# KiCad board lasersaurv2.kicad_pcb
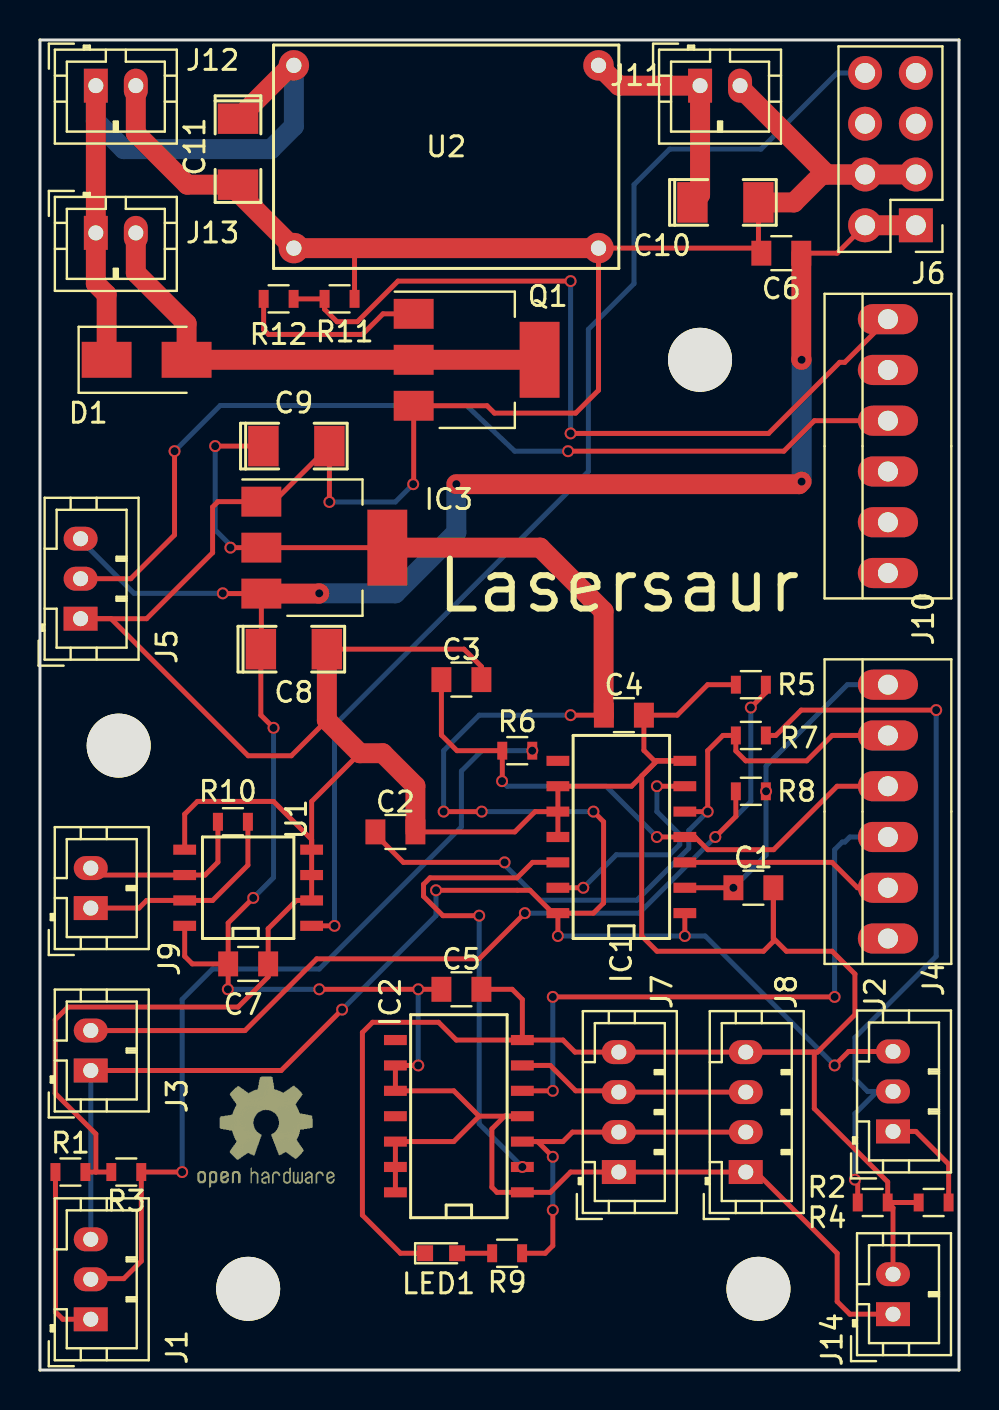
[diagram p0: board, top side]
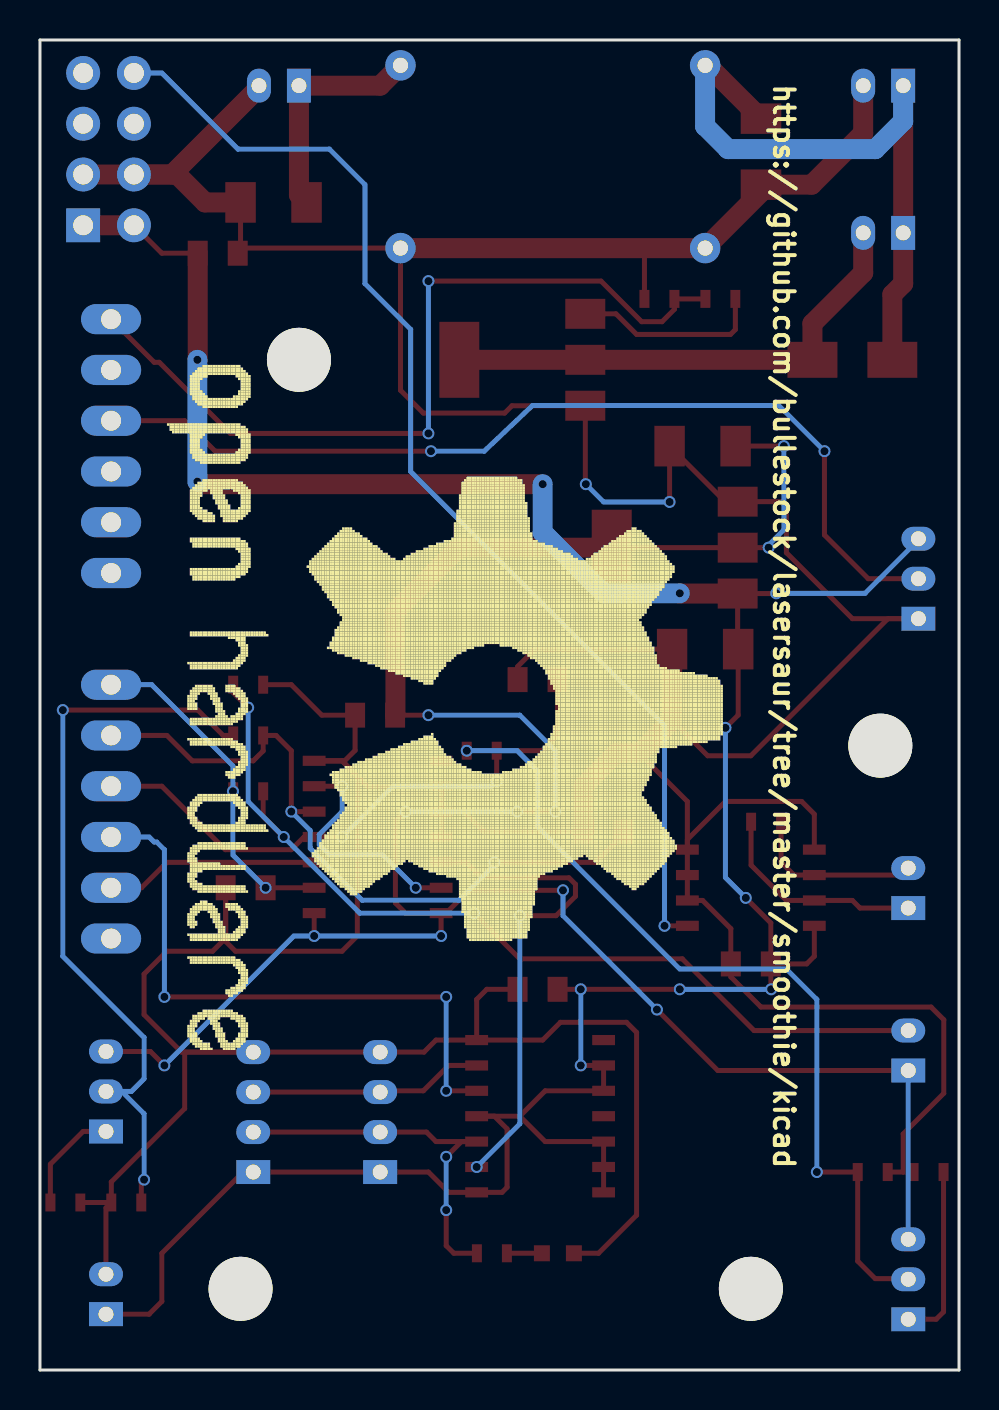
[diagram p1: board, bottom side, seen from below]

Outline 45.97 x 66.55 mm; copper layers: Top, Bottom. Coordinates in mm from the lower left corner of the outline.
Outline path: 0,66.55 0,0 45.97,0 45.97,66.55 0,66.55

## Placement (name value [footprint] x y rotation side)
C1  100n  [C_0805]  35.69 24.13 0 top
C2  100n  [C_0805]  17.78 26.92 0 top
C3  100n  [C_0805]  21.08 34.54 0 top
C4  100n  [C_0805]  29.21 32.77 0 top
C5  100n  [C_0805]  21.08 19.05 0 top
C6  100n  [C_0805]  37.08 55.88 180 top
C7  100n  [C_0805]  10.41 20.32 0 top
C8  100u  [SMD-1206_Pol]  12.7 36.07 0 top
C9  100u  [SMD-1206_Pol]  12.83 46.23 0 top
C10  100u  [SMD-1206_Pol]  34.29 58.42 0 top
C11  100u  [SMD-1206_Pol]  9.91 60.96 270 top
D1  SS34  [D_SMA_Standard]  5.33 50.55 0 top
G***  LOGO  [OSHWLOGO0.3IN]  7.49 15.62 0 top
IC1  74LV11  [SOIC-14_N]  28.96 26.67 90 top
IC2  74HCT08  [SOIC-14_N]  20.83 12.7 90 top
IC3  AMS1117-3.3  [SOT-223]  14.22 41.15 0 top
J1  DOOR1  [JST_PH_B3B-PH-K_03x2.00mm_Straight]  2.54 2.54 90 top
J2  DOOR2  [JST_PH_B3B-PH-K_03x2.00mm_Straight]  42.67 11.94 90 top
J3  CHILLER  [JST_PH_B2B-PH-K_02x2.00mm_Straight]  2.54 14.99 90 top
J4  TO_J8  [PINHEAD1-6]  42.42 21.59 90 top
J5  POWEROFF  [JST_PH_B3B-PH-K_03x2.00mm_Straight]  2.03 37.59 90 top
J6  TO_AUX1  [Pin_Header_Straight_2x04_Pitch2.54mm]  43.81 57.28 180 top
J7  LASER_AUX  [JST_PH_B4B-PH-K_04x2.00mm_Straight]  28.96 9.91 90 top
J8  LASER  [JST_PH_B4B-PH-K_04x2.00mm_Straight]  35.31 9.91 90 top
J9  CHILLER SERIAL  [JST_PH_B2B-PH-K_02x2.00mm_Straight]  2.54 23.11 90 top
J10  TO_J7  [PINHEAD1-6]  42.42 39.88 90 top
J11  24V PWR  [JST_PH_B2B-PH-K_02x2.00mm_Straight]  33.02 64.26 0 top
J12  LED LIGHTING  [JST_PH_B2B-PH-K_02x2.00mm_Straight]  2.79 64.26 0 top
J13  AIR VALVE  [JST_PH_B2B-PH-K_02x2.00mm_Straight]  2.79 56.9 0 top
J14  AIMING LASER  [JST_PH_B2B-PH-K_02x2.00mm_Straight]  42.67 2.79 90 top
LED1  Disable  [LED_0603]  20.07 5.84 0 top
Q1  ZXMN4A06  [SOT-223-3Lead_TabPin2]  21.84 50.55 0 top
R1  100  [R_0603]  1.52 9.91 0 top
R2  100  [R_0603]  44.7 8.38 180 top
R3  1K  [R_0603]  4.32 9.91 180 top
R4  1K  [R_0603]  41.66 8.38 0 top
R5  1K  [R_0603]  35.56 34.29 0 top
R6  5K6  [R_0603]  23.88 30.99 0 top
R7  5K6  [R_0603]  35.56 31.75 0 top
R8  5K6  [R_0603]  35.56 28.96 180 top
R9  1K  [R_0603]  23.37 5.84 180 top
R10  120R  [R_0603]  9.65 27.43 180 top
R11  10K  [R_0603]  14.99 53.59 0 top
R12  22R  [R_0603]  11.94 53.59 0 top
REF**  -  [MountingHole_3.2mm_M3]  33.02 50.55 0 top
REF**#2  -  [MountingHole_3.2mm_M3]  10.41 4.06 0 top
REF**#3  -  [MountingHole_3.2mm_M3]  3.94 31.24 0 top
REF**#4  MountingHole_3.2mm_M3  [MountingHole_3.2mm_M3#2]  35.94 3.81 0 top
U1  MAX485  [SOIC-8-N]  10.41 24.13 90 top
U2  STEPDOWN  [DSN-MINI-360]  20.32 60.71 180 top
VAL  REF  [OSHWOHW_BACK1.5IN]  7.11 52.2 90 top

## Footprints (pads in the part's own frame, mm; a bottom-side part is the same pattern mirrored in y, then rotated)
C_0805
  rect 1x1.25 smd: 1(-1,0) 2(1,0)
D_SMA_Standard
  rect 2.5x1.8 smd: 1(-2,0) 2(2,0)
DSN-MINI-360
  round 1.524 hole 0.762: IN+(-7.62,-4.572) IN-(-7.62,4.572) OUT+(7.62,-4.572) OUT-(7.62,4.572)
JST_PH_B2B-PH-K_02x2.00mm_Straight
  rect 1.2x1.7 hole 0.75: 1(0,0)
  oval 1.2x1.7 hole 0.75: 2(2,0)
JST_PH_B3B-PH-K_03x2.00mm_Straight
  rect 1.2x1.7 hole 0.75: 1(0,0)
  oval 1.2x1.7 hole 0.75: 2(2,0) 3(4,0)
JST_PH_B4B-PH-K_04x2.00mm_Straight
  rect 1.2x1.7 hole 0.75: 1(0,0)
  oval 1.2x1.7 hole 0.75: 2(2,0) 3(4,0) 4(6,0)
LED_0603
  rect 0.8x0.8 smd: 1(-0.8,0) 2(0.8,0)
MountingHole_3.2mm_M3
  round 3.2 hole 3.2 unplated: (0,0)
MountingHole_3.2mm_M3#2
  round 3.2 hole 3.2 unplated: (0,0.254)
Pin_Header_Straight_2x04_Pitch2.54mm
  rect 1.7x1.7 hole 1: 1(0,0)
  oval 1.7x1.7 hole 1: 2(2.54,0) 3(0,-2.54) 4(2.54,-2.54) 5(0,-5.08) 6(2.54,-5.08) 7(0,-7.62) 8(2.54,-7.62)
PINHEAD1-6
  oval 1.51x3.01 hole 1: 1(0,0) 2(2.54,0) 3(5.08,0) 4(7.62,0) 5(10.16,0) 6(12.7,0)
R_0603
  rect 0.5x0.9 smd: 1(-0.75,0) 2(0.75,0)
SMD-1206_Pol
  rect 1.524x2.032 smd: 1(-1.651,0) 2(1.651,0)
SOIC-8-N
  rect 0.508x1.143 smd: 1(-1.905,-3.175) 2(-0.635,-3.175) 3(0.635,-3.175) 4(1.905,-3.175) 5(1.905,3.175) 6(0.635,3.175) 7(-0.635,3.175) 8(-1.905,3.175)
SOIC-14_N
  rect 0.508x1.143 smd: 1(-3.81,-3.302) 2(-2.54,-3.302) 3(-1.27,-3.302) 4(0,-3.302) 5(1.27,-3.302) 6(2.54,-3.302) 7(3.81,-3.302) 8(3.81,3.048) 9(2.54,3.048) 10(1.27,3.048) 11(0,3.048) 12(-1.27,3.048) 13(-2.54,3.048) 14(-3.81,3.048)
SOT-223
  rect 2x1.5 smd: 1(-3.15,2.3) 2(-3.15,0) 3(-3.15,-2.3)
  rect 2x3.8 smd: 4(3.15,0)
SOT-223-3Lead_TabPin2
  rect 2x1.5 smd: 1(-3.15,2.3) 2(-3.15,0) 3(-3.15,-2.3)
  rect 2x3.8 smd: 2(3.15,0)

## Nets
+3V3: C4.1 C9.1 IC1.1 IC1.14 IC3.2 IC3.4 J1.3 J2.3 J3.1
+5V: C5.1 C6.1 C7.1 C8.1 IC2.1 IC2.4 IC2.9 IC2.10 IC2.12 IC2.13 IC2.14 IC3.3 J5.3 J6.1 J6.2 J7.1 J8.1 J14.1 U1.8
GND: C1.2 C2.2 C3.2 C4.2 C5.2 C6.2 C7.2 C8.2 C9.2 C10.2 C11.2 IC1.7 IC1.9 IC1.10 IC1.11 IC2.7 IC3.1 J5.1 J6.3 J6.4 J7.4 J8.4 J11.2 J12.2 J14.2 LED1.1 Q1.3 R1.2 R2.2 R3.2 R4.2 R5.1 R11.2 U1.2 U1.3 U1.4 U1.5 U2.IN- U2.OUT-
P1.22: IC1.3 J4.2
P1.23: IC2.5 J4.3
P2.11: C2.1 IC1.5 J4.5 R7.1
P2.12: C3.1 IC1.4 J4.4 R6.1
P4.28: C1.1 IC1.2 J4.6 R8.1
RX: J6.8 U1.1
Net-(C10-Pad1): C10.1 J11.1 U2.IN+
Net-(C11-Pad1): C11.1 D1.1 J12.1 J13.1 U2.OUT+
Net-(D1-Pad2): D1.2 J13.2 Q1.2
Net-(IC1-Pad12): IC1.12 IC2.2
Net-(IC1-Pad13): IC1.6 IC1.13
Net-(IC2-Pad3): IC2.3 J7.2 J8.2 R9.1
Net-(IC2-Pad6): IC2.6 J7.3 J8.3
Net-(J1-Pad1): J1.1 R1.1
Net-(J1-Pad2): J1.2 R3.1 R6.2
Net-(J2-Pad1): J2.1 R2.1
Net-(J2-Pad2): J2.2 R4.1 R7.2
Net-(J3-Pad2): J3.2 R5.2 R8.2
Net-(J9-Pad1): J9.1 R10.1 U1.7
Net-(J9-Pad2): J9.2 R10.2 U1.6
Net-(J10-Pad4): J5.2 J10.4
Net-(J10-Pad6): J10.6 R11.1 R12.2
Net-(LED1-Pad2): LED1.2 R9.2
Net-(Q1-Pad1): Q1.1 R12.1

Pads without a net: IC1 8; IC2 8 11; J4 1; J6 5 6 7; J10 1 2 3 5

## Via types
v1: diameter 0.6, hole 0.4, Top to Bottom, 51 vias

## Routing (per net, layer and track width the routed paths; a pad name or vN(x,y) marks a point on that pad's centre or on a via; arc(x,y) is an arc through that point)
+3V3: length 118.7
  Top w0.25: v1(15.11,18.03) 12.06,14.99 J3.1 ; v1(19.81,24) 24.51,24 25.65,22.86 IC1.14 ; IC1.14 v1(25.91,21.72) ; IC1.14 27.69,22.86 28.19,23.37 28.19,27.43 v1(27.69,27.94) ; v1(22.1,27.94) v1(20.19,27.94) ; v1(26.54,32.77) C4.1 ; v1(9.52,41.15) IC3.2 IC3.4 ; v1(39.75,15.24) 40.45,15.94 J2.3 ; 11.18,46.61 C9.1 v1(8.76,46.23) ; IC1.1 v1(32.26,21.72)
  Top w1: C4.1 28.19,32.78 28.19,37.97 25.02,41.15 IC3.4
  Bottom w0.25: v1(25.91,21.72) v1(32.26,21.72) 33.27,21.72 v1(39.75,15.24) ; v1(15.11,18.03) 19.81,22.73 v1(19.81,24) ; v1(27.69,27.94) v1(22.1,27.94) ; v1(20.19,27.94) 20.19,30.99 21.97,32.77 v1(26.54,32.77) ; v1(8.76,46.23) 8.76,42.04 9.52,41.27 v1(9.52,41.15) ; J3.1 J1.3
+5V: length 144.3
  Top w0.25: J6.2 39.88,55.88 C6.1 ; 21.97,12.7 20.7,11.43 IC2.12 IC2.13 IC2.14 ; 21.97,12.7 20.7,13.97 IC2.10 IC2.9 v1(18.92,15.24) ; 21.97,12.7 IC2.4 23.24,12.7 22.61,12.06 22.61,9.14 22.86,8.89 IC2.1 25.53,8.89 26.54,9.91 J7.1 J8.1 35.81,9.91 39.88,5.84 39.88,3.43 40.51,2.79 J14.1 ; C7.1 7.62,20.32 7.24,20.7 U1.8 ; C7.1 9.41,19.07 v1(9.4,19.05) ; C7.1 9.41,22.37 v1(10.67,23.62) ; v1(11.68,32.13) 11.05,32.77 C8.1 11.07,36.09 IC3.3 9.16,38.85 v1(9.14,38.86) ; C5.1 v1(18.92,19.05) v1(13.97,19.05)
  Top w1: v1(38.1,50.55) 38.08,50.56 C6.1 ; v1(38.1,44.45) 37.97,44.32 v1(20.83,44.32) ; v1(13.97,38.86) 13.96,38.85 IC3.3 ; J6.1 J6.2
  Bottom w0.25: v1(10.67,23.62) 11.68,24.64 v1(11.68,32.13) ; v1(9.14,38.86) 4.7,38.86 2.03,41.53 J5.3 ; v1(18.92,19.05) v1(18.92,15.24) ; v1(13.97,19.05) v1(9.4,19.05)
  Bottom w1: v1(38.1,50.55) v1(38.1,44.45) ; v1(20.83,44.32) 20.83,41.91 17.78,38.86 v1(13.97,38.86)
GND: length 304.8
  Top w0.25: IC1.7 30.73,30.48 30.21,31 C4.2 31.88,32.77 33.4,34.29 R5.1 ; IC1.7 30.86,30.48 ; IC1.7 30.86,30.48 ; 30.86,30.48 30.1,29.72 30.1,21.72 30.86,20.95 36.19,20.95 36.69,21.45 C1.2 36.69,21.61 37.34,20.95 39.62,20.95 40.77,19.81 40.77,17.78 38.89,15.91 J8.4 ; 30.86,30.48 29.59,29.21 IC1.9 IC1.10 ; IC1.10 24.76,27.94 23.75,26.92 C2.2 ; IC1.10 IC1.11 ; IC2.7 26.16,16.51 26.77,15.91 J7.4 J8.4 ; IC2.7 24.13,18.54 23.62,19.05 C5.2 ; IC2.7 20.83,16.51 19.94,17.4 16.64,17.4 16.13,16.89 16.13,7.75 18.03,5.84 LED1.1 ; J8.4 38.73,15.91 38.73,13.08 42.41,9.41 R4.2 ; U1.4 13.59,26.54 11.68,28.45 7.87,28.45 7.24,27.81 U1.5 ; U1.4 13.59,28.45 16,30.86 ; U1.4 U1.2 12.83,23.49 11.41,22.08 C7.2 11.41,19.67 9.91,18.16 1.4,18.16 0.76,17.53 0.76,13.84 2.79,11.81 2.79,9.91 ; 14.35,32.51 12.57,30.73 10.41,30.73 3.56,37.59 J5.1 5.33,37.59 8.64,40.89 8.64,43.18 8.9,43.45 IC3.1 11.7,43.45 C9.2 v1(14.48,43.43) ; C8.2 21.21,36.07 22.08,35.19 C3.2 ; U2.OUT- 15.74,56.13 R11.2 ; v1(18.67,44.32) 18.69,44.35 Q1.3 22.37,48.25 22.73,47.88 26.8,47.88 27.94,49.02 U2.IN- 35.83,56.13 C6.2 35.94,56.02 35.94,58.42 ; 2.79,9.91 R3.2 ; 2.79,9.91 R1.2 ; R4.2 42.67,8.12 J14.2 ; R4.2 R2.2 ; J11.2 35.02,64.17
  Top w1: 35.02,64.17 39.37,59.82 J6.4 ; J6.4 39.12,59.82 37.72,58.42 35.94,58.42 ; J6.4 J6.3 ; C2.2 18.78,29.23 17.14,30.86 16,30.86 14.35,32.51 C8.2 ; J12.2 4.79,61.88 7.37,59.31 C11.2 9.91,58.93 U2.OUT- U2.IN-
  Bottom w0.25: v1(18.67,44.32) 17.78,43.43 v1(14.48,43.43)
P1.22: length 10.7
  Top w0.25: J4.2 40.89,24.13 39.62,25.4 IC1.3
P1.23: length 30.6
  Top w0.25: v1(25.65,18.67) v1(39.75,18.67) ; IC2.5 v1(25.65,13.97)
  Bottom w0.25: v1(25.65,13.97) v1(25.65,18.67) ; v1(39.75,18.67) 39.75,26.03 40.13,26.42 40.26,26.42 40.51,26.67 J4.3
P2.11: length 36.7
  Top w0.25: 43.56,31.75 J4.5 39.62,31.75 38.35,30.48 35.31,30.48 34.81,30.98 R7.1 34.16,31.75 33.4,30.99 v1(33.4,27.94) IC1.5 ; v1(23.24,25.4) 18.18,25.4 16.78,26.8 C2.1
  Bottom w0.25: v1(33.4,27.94) 32.45,26.99 32.45,26.1 29.86,23.5 25.01,23.5 23.24,25.27 v1(23.24,25.4)
P2.12: length 29.7
  Top w0.25: v1(23.11,29.46) 23.13,29.48 R6.1 20.86,30.99 20.08,31.77 C3.1 ; J4.4 39.88,29.21 36.7,26.03 33.4,26.03 32.77,26.67 IC1.4 v1(30.86,26.67)
  Bottom w0.25: v1(30.86,26.67) 28.32,29.21 23.37,29.21 v1(23.11,29.46)
P4.28: length 17
  Top w0.25: v1(36.32,28.96) R8.1 ; IC1.2 v1(34.69,24.13)
  Bottom w0.25: v1(34.69,24.13) 36.32,25.76 v1(36.32,28.96) 36.32,30.23 40.39,34.29 J4.6
RX: length 58.3
  Top w0.25: v1(14.73,22.22) U1.1
  Bottom w0.25: v1(14.73,22.22) 14.73,32.26 27.43,44.96 27.43,52.07 29.72,54.36 29.72,59.31 31.5,61.09 36.07,61.09 39.88,64.9 J6.8
Net-(C10-Pad1): length 11.5
  Top w1: U2.IN+ 28.96,64.26 J11.1 33.02,58.8 C10.1
Net-(C11-Pad1): length 33.6
  Top w1: C11.1 12.57,65.28 U2.OUT+ ; D1.1 3.33,53.82 2.79,54.36 J13.1 J12.1
  Bottom w1: U2.OUT+ 12.7,62.23 11.56,61.09 4.19,61.09 2.79,62.48 J12.1
Net-(D1-Pad2): length 25.1
  Top w1: J13.2 4.79,54.9 7.33,52.36 D1.2 Q1.2 Q1.2
Net-(IC1-Pad12): length 24.4
  Top w0.25: IC1.12 24.64,25.4 23.87,24.63 19.51,24.63 19.19,24.3 19.19,23.7 20.16,22.73 v1(21.97,22.73)
  Bottom w0.25: v1(21.97,22.73) 21.97,12.32 v1(24.13,10.16)
Net-(IC1-Pad13): length 11.8
  Top w0.25: v1(30.86,29.21) IC1.6 ; IC1.13 v1(27.18,24.13)
  Bottom w0.25: v1(27.18,24.13) 28.83,25.78 31.5,25.78 32,26.29 32,26.8 30.86,27.94 v1(30.86,29.21)
Net-(IC2-Pad3): length 19.4
  Top w0.25: v1(25.65,10.67) 24.89,11.43 IC2.3 26.16,11.43 26.64,11.91 J7.2 J8.2 ; v1(25.65,8) 25.65,6.22 25.27,5.84 R9.1
  Bottom w0.25: v1(25.65,10.67) v1(25.65,8)
Net-(IC2-Pad6): length 11.7
  Top w0.25: IC2.6 25.53,15.24 26.8,13.97 28.89,13.97 J7.3 J8.3
Net-(J1-Pad1): length 8.9
  Top w0.25: J1.1 1.14,2.54 0.77,2.91 R1.1
Net-(J1-Pad2): length 43.2
  Top w0.25: 3.27,4.54 J1.2 2.57,4.57 4.19,4.57 5.07,5.45 R3.1 v1(7.11,9.91) ; 24.76,30.99 v1(24.63,30.99)
  Bottom w0.25: v1(24.63,30.99) 22.1,30.99 21.08,29.97 21.08,27.18 13.97,20.07 8.64,20.07 7.11,18.54 v1(7.11,9.91)
Net-(J2-Pad1): length 5.4
  Top w0.25: R2.1 45.45,10.3 43.81,11.94 J2.1
Net-(J2-Pad2): length 38.4
  Top w0.25: 42.77,13.84 J2.2 ; v1(40.77,9.52) 40.91,9.39 R4.1 ; v1(44.83,33.02) 38.08,33.02 36.81,31.75 R7.2 36.31,31.74
  Bottom w0.25: v1(40.77,9.52) 40.77,12.83 41.88,13.94 J2.2 41.4,13.94 40.77,14.57 40.77,16.64 44.83,20.7 v1(44.83,33.02)
Net-(J3-Pad2): length 46.6
  Top w0.25: v1(33.78,26.67) 34.81,27.7 R8.2 ; v1(24.26,22.86) 21.97,20.57 13.84,20.57 10.25,16.99 J3.2 ; v1(35.56,33.15) 36.31,33.9 R5.2
  Bottom w0.25: v1(24.26,22.86) 29.97,22.86 v1(33.78,26.67) 35.56,28.45 v1(35.56,33.15)
Net-(J9-Pad1): length 10.9
  Top w0.25: R10.1 10.4,25.26 8.64,23.49 U1.7 5.33,23.49 4.95,23.11 J9.1
Net-(J9-Pad2): length 8.8
  Top w0.25: J9.2 2.89,24.76 8.25,24.76 8.9,25.41 R10.2
Net-(J10-Pad4): length 48
  Top w0.25: v1(6.73,45.97) 6.73,41.78 4.54,39.59 J5.2 ; v1(26.42,45.97) 37.21,45.97 38.73,47.5 J10.4
  Bottom w0.25: v1(6.73,45.97) 9.02,48.26 21.34,48.26 23.75,45.97 v1(26.42,45.97)
Net-(J10-Pad6): length 41.3
  Top w0.25: v1(26.54,54.48) 17.91,54.48 15.88,52.45 14.86,52.45 14.24,53.07 R11.1 R12.2 ; v1(26.54,46.86) 36.45,46.86 40,50.42 40.26,50.42 J10.6
  Bottom w0.25: v1(26.54,54.48) v1(26.54,46.86)
Net-(LED1-Pad2): length 1.8
  Top w0.25: LED1.2 R9.2
Net-(Q1-Pad1): length 9.6
  Top w0.25: R12.1 11.19,52.06 11.43,51.82 16.13,51.82 17.16,52.85 Q1.1

## Text on the board
B.SilkS: https://github.com/bullestock/lasersaur/tree/master/smoothie/kicad
F.SilkS: Lasersaur
